# Altium PCB FlightControl.PcbDoc (part 3 of 4) (continued)
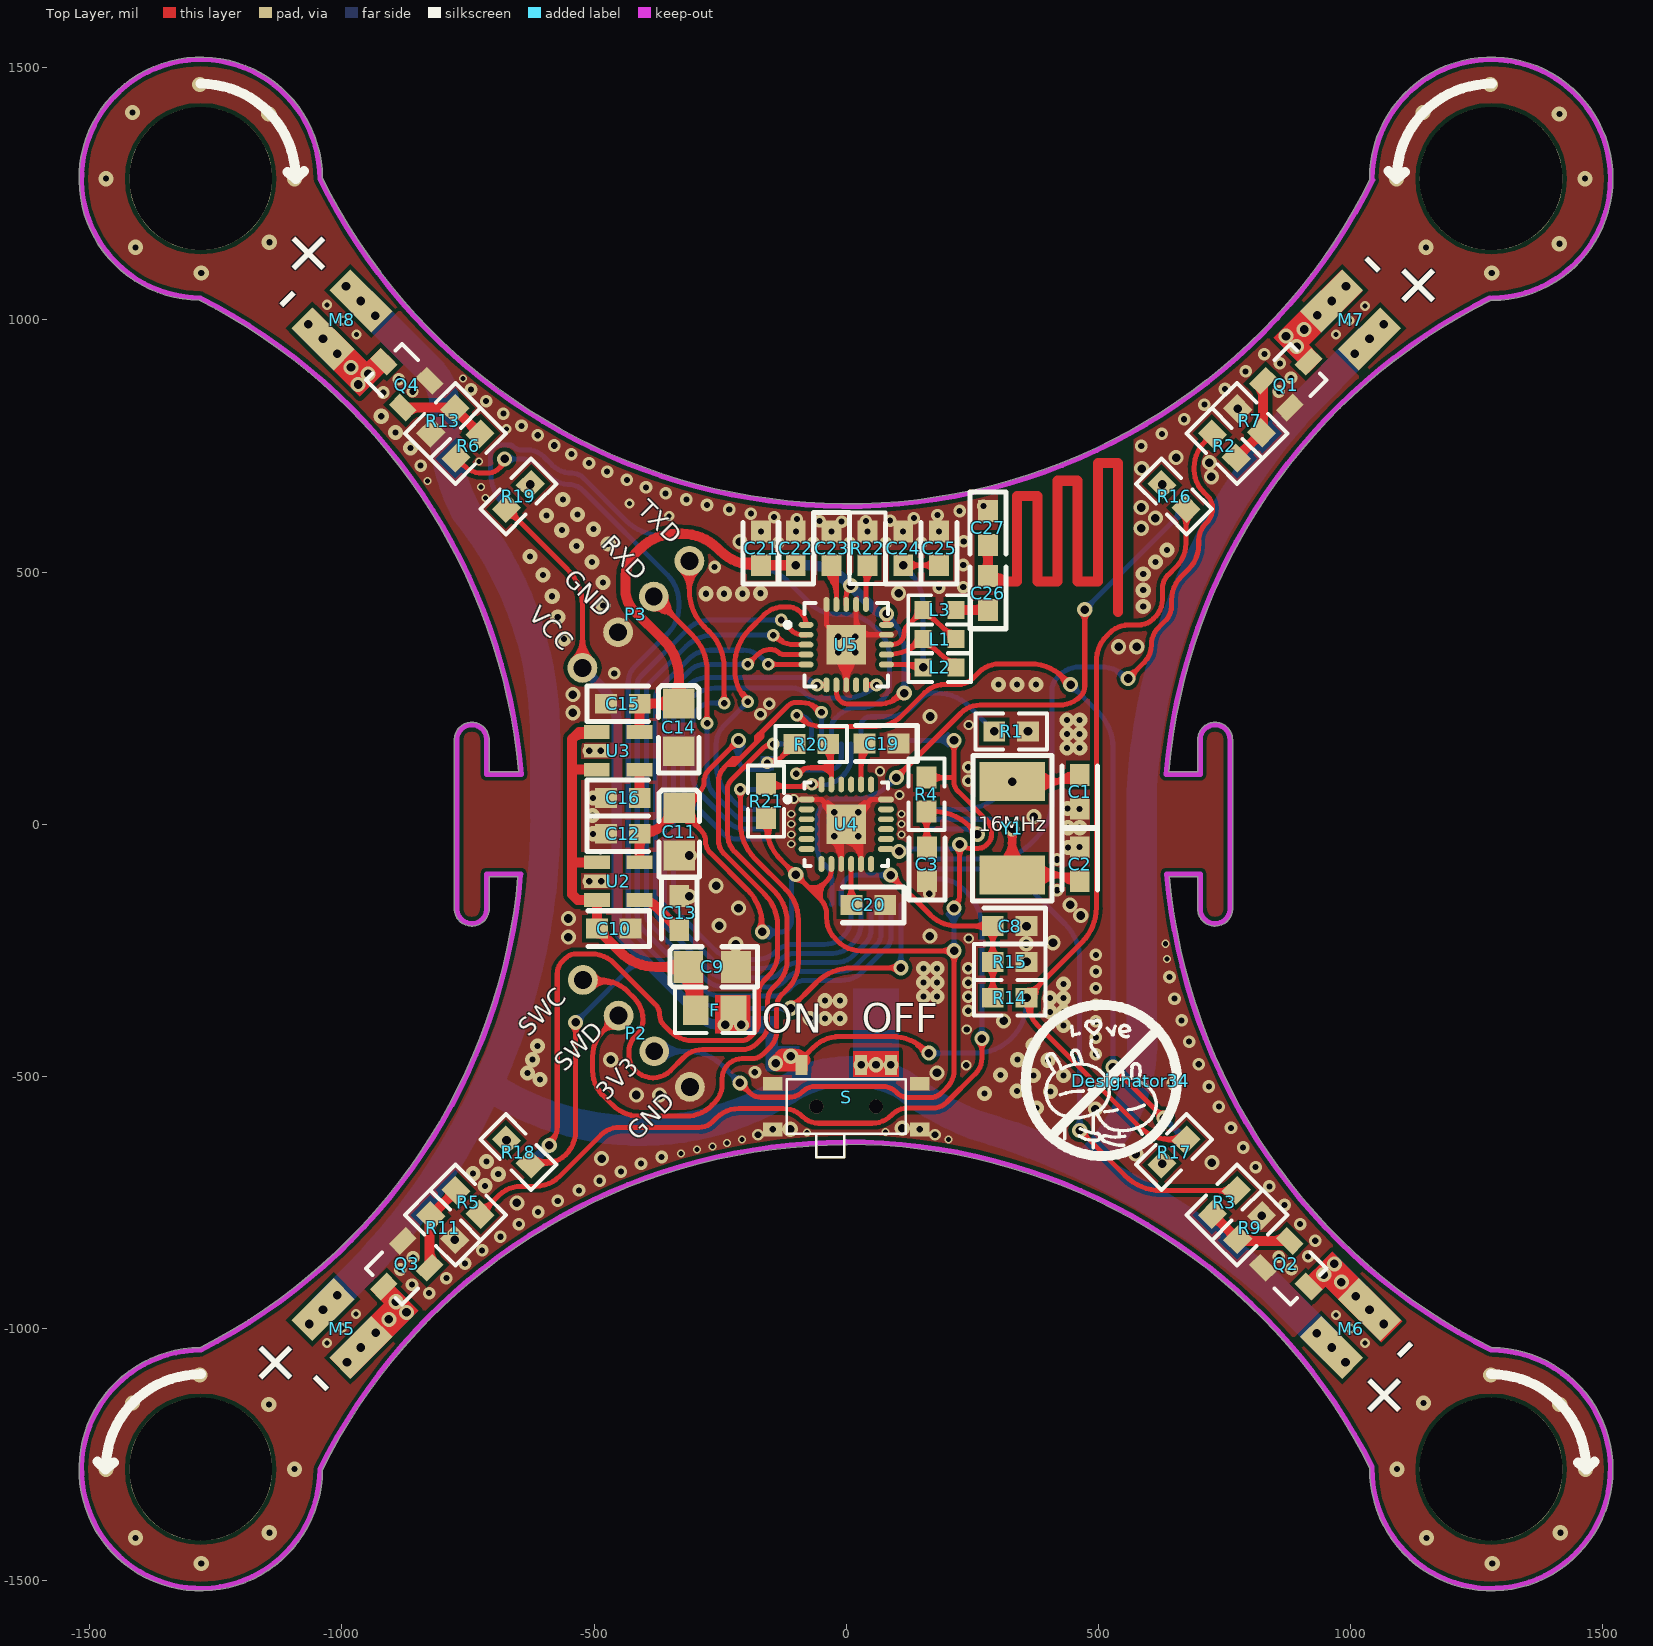
[diagram p0: Top Layer view]
## Nets (pads, with @x,y where several pads share a name; then routed paths per layer and width w, separated by ;. In a path a pad name is that pad's centre, name@x,y a point inside that pad or via, vN(x,y) a via of type N, cw(c..) or ccw(c..) an arc to the next point about the centre after c; other vN are vias at no path point) (continued)
RXD: P3.3 U1.31 | length 1427.4
  Top Layer w10: P3.3@-381.58,451.42 -305.29,375.13 cw(c-376,304.42) -276,304.42 v4(-276,200) ; P3.3@-386.94,450.32 ccw(c-349.28,458.04) -359.23,420.91 ; P3.3@-386.94,450.32 ccw(c-349.28,458.04) -359.23,420.91 ; P3.3@-386.94,450.32 ccw(c-349.28,458.04) -359.23,420.91 ; P3.3@-381.58,426.89 cw(c-381.58,367.68) -339.71,409.55 ; P3.3@-381.58,426.89 cw(c-381.58,367.68) -339.71,409.55 ; P3.3@-381.58,426.89 cw(c-381.58,367.68) -339.71,409.55 ; P3.3@-381.58,436.89 cw(c-381.58,401.82) -356.78,426.62 ; P3.3@-381.58,436.89 cw(c-381.58,401.82) -356.78,426.62 ; P3.3@-381.58,436.89 cw(c-381.58,401.82) -356.78,426.62 ; P3.3@-380.48,456.78 cw(c-388.19,419.13) -351.06,429.07 ; P3.3@-380.48,456.78 cw(c-388.19,419.13) -351.06,429.07 ; P3.3@-380.48,456.78 cw(c-388.19,419.13) -351.06,429.07 ; P3.3@-367.05,451.42 ccw(c-331.98,451.42) -356.78,426.62 ; P3.3@-367.05,451.42 ccw(c-331.98,451.42) -356.78,426.62 ; P3.3@-367.05,451.42 ccw(c-331.98,451.42) -356.78,426.62 ; P3.3@-357.05,451.42 ccw(c-297.84,451.42) -339.71,409.55 ; P3.3@-357.05,451.42 ccw(c-297.84,451.42) -339.71,409.55 ; P3.3@-357.05,451.42 ccw(c-297.84,451.42) -339.71,409.55 ; v4@-281.3,205.3 ccw(c-294.11,218.11) -276,218.11 ; v4@-281.3,205.3 ccw(c-294.11,218.11) -276,218.11 ; v4@-281.3,205.3 ccw(c-294.11,218.11) -276,218.11 ; -276,218.11 ccw(c-257.89,218.11) v4@-270.7,205.3 ; -276,218.11 ccw(c-257.89,218.11) v4@-270.7,205.3 ; -276,218.11 ccw(c-257.89,218.11) v4@-270.7,205.3
  Bottom Layer w10: v4(-276,200) -276,95.63 ccw(c-221.37,95.63) -260.02,57.02 -220,17 ccw(c-202.72,34.28) -202.72,9.84 U1.31@-159.45,9.84 ; v4@-281.3,194.7 cw(c-294.11,181.89) -276,181.89 ; v4@-281.3,194.7 cw(c-294.11,181.89) -276,181.89 ; v4@-281.3,194.7 cw(c-294.11,181.89) -276,181.89 ; -276,181.89 cw(c-257.89,181.89) v4@-270.7,194.7 ; -276,181.89 cw(c-257.89,181.89) v4@-270.7,194.7 ; -276,181.89 cw(c-257.89,181.89) v4@-270.7,194.7
SCK: U1.15 U5.3 | length 1656.2
  Top Layer w10: v4(-145,375) -142.36,372.36 ccw(c-102.86,411.86) -102.86,356 U5.3@-79.72,356 ; v4@-143.05,367.76 cw(c-139.22,353.49) -131.84,366.29 ; v4@-143.05,367.76 cw(c-139.22,353.49) -131.84,366.29 ; v4@-143.05,367.76 cw(c-139.22,353.49) -131.84,366.29 ; v4@-142.29,368.01 cw(c-138.7,358.76) -130.12,363.73 ; v4@-142.29,368.01 cw(c-138.7,358.76) -130.12,363.73 ; v4@-142.29,368.01 cw(c-138.7,358.76) -130.12,363.73 ; v4@-137.76,376.94 ccw(c-117.05,382.5) -127.76,363.93 ; v4@-137.76,376.94 ccw(c-117.05,382.5) -127.76,363.93 ; v4@-137.76,376.94 ccw(c-117.05,382.5) -127.76,363.93
  Bottom Layer w10: -386.44,-200.29 -280,-306.72 ; -386.45,-200.27 cw(c-362.15,-176) -396.5,-176 -396.5,264.9 cw(c-375.72,264.9) -390.41,279.59 -318,352 cw(c-262.47,296.47) -262.47,375 v4(-145,375) ; -279.99,-306.73 ccw(c-240.7,-267.42) -240.7,-323 -150,-323 ccw(c-150,-285.44) -123.47,-312.03 ; -123.44,-312 -114,-302.56 cw(c-88.52,-328.04) -88.52,-292 -11.05,-292 ccw(c-11.05,-246.67) 21,-278.72 60.01,-239.71 ccw(c38.57,-218.26) 68.9,-218.26 U1.15@68.9,-159.45 ; -163.11,375 ccw(c-163.11,393.11) v4@-150.3,380.3 ; -163.11,375 cw(c-163.11,356.89) v4@-150.3,369.7 ; -163.11,375 ccw(c-163.11,393.11) v4@-150.3,380.3 ; -163.11,375 cw(c-163.11,356.89) v4@-150.3,369.7 ; -163.11,375 ccw(c-163.11,393.11) v4@-150.3,380.3 ; -163.11,375 cw(c-163.11,356.89) v4@-150.3,369.7
SCL: R20.1 U1.42 U4.23 | length 695.3
  Top Layer w10: v4(-99,100) cw(c-70.03,71.03) -70.03,112 -29.53,112 ; R20.1@-35.53,159 -29.53,152.99 -29.53,112 ; U4.23@-29.53,78.74 -29.53,112 ; -29.53,100 -31.3,101.77 ccw(c-56,77.06) -56,112 ccw(c-56,149.35) -29.59,122.94 -29.53,123 ; v4@-97.06,107.24 ccw(c-92.37,124.73) -83.32,109.05 ; v4@-97.06,107.24 ccw(c-92.37,124.73) -83.32,109.05 ; v4@-97.06,107.24 ccw(c-92.37,124.73) -83.32,109.05 ; v4@-95.58,106.67 ccw(c-91.92,113.81) -84.98,109.8 ; v4@-95.58,106.67 ccw(c-91.92,113.81) -84.98,109.8 ; v4@-95.58,106.67 ccw(c-91.92,113.81) -84.98,109.8 ; v4@-91.76,98.06 cw(c-74.27,93.37) -83.32,109.05 ; v4@-91.76,98.06 cw(c-74.27,93.37) -83.32,109.05 ; v4@-91.76,98.06 cw(c-74.27,93.37) -83.32,109.05 ; R20.1@-43.95,148.62 cw(c-78.77,113.8) -29.53,113.8 ; R20.1@-43.95,148.62 cw(c-78.77,113.8) -29.53,113.8 ; R20.1@-43.95,148.62 cw(c-78.77,113.8) -29.53,113.8 ; R20.1@-36.88,155.69 cw(c-54.62,137.94) -29.53,137.94 ; R20.1@-36.88,155.69 cw(c-54.62,137.94) -29.53,137.94 ; R20.1@-36.88,155.69 cw(c-54.62,137.94) -29.53,137.94 ; -29.53,133.29 cw(c-7.86,133.29) R20.1@-23.18,148.62 ; -29.53,133.29 cw(c-7.86,133.29) R20.1@-23.18,148.62 ; -29.53,133.29 cw(c-7.86,133.29) R20.1@-23.18,148.62
  Bottom Layer w10: v4(-99,100) cw(c-79.69,80.69) -79.69,108 -33.48,108 ccw(c-33.48,130.88) -17.32,114.68 ccw(c-35.3,132.7) -9.84,132.7 U1.42@-9.84,159.45
SDA: R21.1 U1.43 U4.24 | length 698.9
  Top Layer w10: R21.1@-159,79.47 -154.16,74.63 -72.37,74.63 v4(-68,79) -67.74,78.74 U4.24@-49.21,78.74 ; R21.1@-148.62,67.11 cw(c-130.48,48.98) -130.48,74.63 ; R21.1@-148.62,67.11 cw(c-130.48,48.98) -130.48,74.63 ; R21.1@-148.62,67.11 cw(c-130.48,48.98) -130.48,74.63 ; R21.1@-148.62,87.88 ccw(c-116.61,119.88) -116.61,74.63 ; R21.1@-148.62,87.88 ccw(c-116.61,119.88) -116.61,74.63 ; R21.1@-148.62,87.88 ccw(c-116.61,119.88) -116.61,74.63 ; -96.67,74.63 ccw(c-96.67,107.67) v4@-73.3,84.3 ; -96.67,74.63 ccw(c-96.67,107.67) v4@-73.3,84.3 ; -96.67,74.63 ccw(c-96.67,107.67) v4@-73.3,84.3 ; -84.49,77.84 cw(c-80.81,71.47) v4@-74.47,75.2 ; -84.49,77.84 cw(c-80.81,71.47) v4@-74.47,75.2 ; -84.49,77.84 cw(c-80.81,71.47) v4@-74.47,75.2 ; v4@-62.7,73.7 cw(c-50.52,61.52) U4.24@-50.52,78.74 ; v4@-62.7,73.7 cw(c-50.52,61.52) U4.24@-50.52,78.74 ; v4@-62.7,73.7 cw(c-50.52,61.52) U4.24@-50.52,78.74 ; v4@-62.7,84.3 ccw(c-49.27,97.73) U4.24@-49.27,78.74 ; v4@-62.7,84.3 ccw(c-49.27,97.73) U4.24@-49.27,78.74 ; v4@-62.7,84.3 ccw(c-49.27,97.73) U4.24@-49.27,78.74
  Bottom Layer w10: v4(-68,79) ccw(c-51.99,140.83) 9.04,121.99 9.04,157.51 cw(c11.78,157.51) U1.43@9.84,159.45 ; v4@-62.74,84.35 ccw(c-50.05,97.26) -49.89,79.15 ; v4@-62.74,84.35 ccw(c-50.05,97.26) -49.89,79.15 ; v4@-62.74,84.35 ccw(c-50.05,97.26) -49.89,79.15 ; v4@-62.65,73.74 cw(c-49.74,61.05) -49.89,79.15 ; v4@-62.65,73.74 cw(c-49.74,61.05) -49.89,79.15 ; v4@-62.65,73.74 cw(c-49.74,61.05) -49.89,79.15
SWCLK: P2.4 U1.37 | length 1786.1
  Top Layer w10: P2.4@-522.13,-308.87 -488.85,-308.87 ; -421,-344 -433,-332 ccw(c-488.85,-387.85) -488.85,-308.87 ; -420.97,-344.03 cw(c-464.46,-387.46) -403,-387.46 -403,-388 cw(c-444.04,-388) -415.02,-417.02 -418,-420 ccw(c-386.62,-451.38) -431,-451.38 -431,-458 ccw(c-389.96,-458) -418.98,-487.02 -417,-489 ccw(c-383.2,-455.2) -383.2,-503 -383,-503 ccw(c-383,-454.72) -348.88,-488.88 ; -348.86,-488.86 -322.55,-462.55 cw(c-285,-500.11) -285,-447 -206,-447 ccw(c-206,-408.37) -178.69,-435.69 -165.19,-422.19 ccw(c-187.38,-400) -156,-400 -156,-350 cw(c-119.79,-350) -145.39,-324.39 -135.38,-314.38 ; v4(-145,159) ccw(c-145,131.71) -164.29,151.01 -228.35,86.95 ccw(c-211.4,70) -235.37,70 -235.37,-20 ccw(c-186.92,-20) -221.19,-54.26 -142.44,-133 cw(c-203.87,-194.43) -117,-194.43 -117,-270 cw(c-179.77,-270) -135.36,-314.36 ; P2.4@-511.49,-318.76 cw(c-490.11,-338.63) -483.07,-310.3 ; P2.4@-511.49,-318.76 cw(c-490.11,-338.63) -483.07,-310.3 ; P2.4@-511.49,-318.76 cw(c-490.11,-338.63) -483.07,-310.3 ; P2.4@-504.17,-325.57 cw(c-475.91,-351.83) -466.61,-314.39 ; P2.4@-504.17,-325.57 cw(c-475.91,-351.83) -466.61,-314.39 ; P2.4@-504.17,-325.57 cw(c-475.91,-351.83) -466.61,-314.39 ; P2.4@-501.12,-296.22 ccw(c-473.86,-279.8) -481.53,-310.69 ; P2.4@-501.12,-296.22 ccw(c-473.86,-279.8) -481.53,-310.69 ; P2.4@-501.12,-296.22 ccw(c-473.86,-279.8) -481.53,-310.69 ; P2.4@-498.7,-316.13 cw(c-488.85,-319.19) -488.85,-308.87 ; P2.4@-498.7,-316.13 cw(c-488.85,-319.19) -488.85,-308.87 ; P2.4@-498.7,-316.13 cw(c-488.85,-319.19) -488.85,-308.87 ; P2.4@-498.7,-301.6 ccw(c-488.85,-298.55) -488.85,-308.87 ; P2.4@-498.7,-301.6 ccw(c-488.85,-298.55) -488.85,-308.87 ; P2.4@-498.7,-301.6 ccw(c-488.85,-298.55) -488.85,-308.87 ; -158.64,155.34 ccw(c-161.11,164.57) v4@-152.09,161.45 ; -158.64,155.34 cw(c-156.17,146.12) v4@-149.91,153.33 ; -158.64,155.34 ccw(c-161.11,164.57) v4@-152.09,161.45 ; -158.64,155.34 cw(c-156.17,146.12) v4@-149.91,153.33 ; -158.64,155.34 ccw(c-161.11,164.57) v4@-152.09,161.45 ; -158.64,155.34 cw(c-156.17,146.12) v4@-149.91,153.33
  Bottom Layer w10: v4(-145,159) -144.55,159.45 U1.37@-108.27,159.45 ; v4@-139.7,153.7 cw(c-125.81,139.81) -125.81,159.45 ; v4@-139.7,153.7 cw(c-125.81,139.81) -125.81,159.45 ; v4@-139.7,153.7 cw(c-125.81,139.81) -125.81,159.45 ; v4@-139.7,164.3 ccw(c-127.97,176.03) -127.97,159.45 ; v4@-139.7,164.3 ccw(c-127.97,176.03) -127.97,159.45 ; v4@-139.7,164.3 ccw(c-127.97,176.03) -127.97,159.45
SWDIO: P2.3 U1.34 | length 1722.1
  Top Layer w10: P2.3@-451.42,-379.58 -482,-410.16 ; -261.5,-552.5 -266.98,-557.98 cw(c-317.72,-507.25) -317.72,-579 -410,-579 cw(c-410,-504.16) -462.92,-557.08 -482.96,-537.04 cw(c-434.58,-488.66) -503,-488.66 -503,-460.85 cw(c-431.3,-460.85) -482,-410.16 ; -261.47,-552.47 ccw(c-299.01,-515) -245.97,-515 -245.97,-504.28 cw(c-206.6,-504.28) -234.44,-476.44 cw(c-206.6,-504.28) -206.6,-464.91 -187,-464.91 ccw(c-187,-433.29) -164.65,-455.65 -151.22,-442.22 ccw(c-183.44,-410) -137.87,-410 -137.87,-362 cw(c-103.77,-362) -127.9,-337.9 -116.44,-326.44 ccw(c-168.19,-274.68) -95,-274.68 -95,-189.36 ccw(c-180.36,-189.36) -119.96,-129.04 ccw(c-180.36,-189.36) -120,-129 -180.71,-68.29 cw(c-110,2.42) -210,2.42 v4(-210,69) ; -482,-410.15 ccw(c-500.28,-391.87) P2.3@-475.21,-385.56 ; -482,-410.15 cw(c-463.72,-428.44) P2.3@-457.41,-403.36 ; -482,-410.15 ccw(c-500.28,-391.87) P2.3@-475.21,-385.56 ; -482,-410.15 cw(c-463.72,-428.44) P2.3@-457.41,-403.36 ; -482,-410.15 ccw(c-500.28,-391.87) P2.3@-475.21,-385.56 ; -482,-410.15 cw(c-463.72,-428.44) P2.3@-457.41,-403.36 ; -475.41,-399.06 cw(c-431.88,-399.72) P2.3@-462.19,-368.47 ; -475.41,-399.06 cw(c-431.88,-399.72) P2.3@-462.19,-368.47 ; -475.41,-399.06 cw(c-431.88,-399.72) P2.3@-462.19,-368.47 ; v4@-215.3,63.7 cw(c-228.11,50.89) -210,50.89 ; v4@-215.3,63.7 cw(c-228.11,50.89) -210,50.89 ; v4@-215.3,63.7 cw(c-228.11,50.89) -210,50.89 ; -210,50.89 cw(c-191.89,50.89) v4@-204.7,63.7 ; -210,50.89 cw(c-191.89,50.89) v4@-204.7,63.7 ; -210,50.89 cw(c-191.89,50.89) v4@-204.7,63.7 ; -470.9,-403.57 ccw(c-471.57,-360.04) -440.32,-390.35 cw(c-471.57,-360.04) -470.9,-403.57
  Bottom Layer w10: v4(-210,69) -209.9,68.9 U1.34@-159.45,68.9 ; v4@-204.7,63.7 cw(c-192.14,51.14) U1.34@-192.14,68.9 ; v4@-204.7,63.7 cw(c-192.14,51.14) U1.34@-192.14,68.9 ; v4@-204.7,63.7 cw(c-192.14,51.14) U1.34@-192.14,68.9 ; v4@-204.7,74.3 ccw(c-191.65,87.35) U1.34@-191.65,68.9 ; v4@-204.7,74.3 ccw(c-191.65,87.35) U1.34@-191.65,68.9 ; v4@-204.7,74.3 ccw(c-191.65,87.35) U1.34@-191.65,68.9
TXD: P3.4 U1.30 | length 1304.3
  Top Layer w10: P3.4@-310.87,522.13 -310.87,462.29 ccw(c-210.87,462.29) -281.58,391.58 -271.29,381.29 cw(c-342,310.58) -242,310.58 v4(-242,240) ; P3.4@-328.21,504.79 cw(c-370.08,462.92) -310.87,462.92 ; P3.4@-328.21,504.79 cw(c-370.08,462.92) -310.87,462.92 ; P3.4@-328.21,504.79 cw(c-370.08,462.92) -310.87,462.92 ; P3.4@-321.14,511.86 cw(c-345.94,487.06) -310.87,487.06 ; P3.4@-321.14,511.86 cw(c-345.94,487.06) -310.87,487.06 ; P3.4@-321.14,511.86 cw(c-345.94,487.06) -310.87,487.06 ; -310.87,462.92 cw(c-251.65,462.92) P3.4@-293.52,504.79 ; -310.87,462.92 cw(c-251.65,462.92) P3.4@-293.52,504.79 ; -310.87,462.92 cw(c-251.65,462.92) P3.4@-293.52,504.79 ; -310.87,487.06 cw(c-275.8,487.06) P3.4@-300.6,511.86 ; -310.87,487.06 cw(c-275.8,487.06) P3.4@-300.6,511.86 ; -310.87,487.06 cw(c-275.8,487.06) P3.4@-300.6,511.86 ; v4@-247.3,245.3 ccw(c-260.11,258.11) -242,258.11 ; v4@-247.3,245.3 ccw(c-260.11,258.11) -242,258.11 ; v4@-247.3,245.3 ccw(c-260.11,258.11) -242,258.11 ; -242,258.11 ccw(c-223.89,258.11) v4@-236.7,245.3 ; -242,258.11 ccw(c-223.89,258.11) v4@-236.7,245.3 ; -242,258.11 ccw(c-223.89,258.11) v4@-236.7,245.3
  Bottom Layer w10: -293.53,229.47 ccw(c-268.15,204.15) -304,204.15 -304,94.8 ccw(c-256.2,94.8) -290,61 -232.7,3.7 ccw(c-200,36.41) -200,-9.84 U1.30@-159.45,-9.84 ; -293.47,229.53 cw(c-268.15,204.15) -268.15,240 v4(-242,240) ; -260.11,240 ccw(c-260.11,258.11) v4@-247.3,245.3 ; -260.11,240 cw(c-260.11,221.89) v4@-247.3,234.7 ; -260.11,240 ccw(c-260.11,258.11) v4@-247.3,245.3 ; -260.11,240 cw(c-260.11,221.89) v4@-247.3,234.7 ; -260.11,240 ccw(c-260.11,258.11) v4@-247.3,245.3 ; -260.11,240 cw(c-260.11,221.89) v4@-247.3,234.7
VCC: F.1 P3.1 R14.1 R16.1 R17.1 R18.1 R19.1 S.1 | length 7146.1
  Top Layer w10: R19.1@-673.66,626.34 -552.29,504.96 cw(c-623,434.25) -523,434.25 P3.1@-523,310 ; R18.1@-626.34,-673.66 -601.56,-673.66 ccw(c-601.56,-608.73) -555.64,-654.64 ; -555.62,-654.62 ccw(c-601.56,-608.73) -536.63,-608.73 v1(-536.63,-393) ; S.1@-88.58,-477.32 -88.58,-465.58 -66.29,-443.29 ; -66.26,-443.26 cw(c-12.48,-497.11) -12.48,-421 89.58,-421 cw(c89.58,-521) 160.29,-450.29 v1(164,-454) ; R17.1@673.66,-626.34 648.76,-626.34 cw(c648.76,-526.34) 578.05,-597.05 380.42,-399.42 cw(c435.84,-344) v1(357.46,-344) ; R16.1@673.66,626.34 673.66,557 cw(c607.66,557) 654.36,510.36 638.31,494.31 ccw(c665.63,467) 627,467 627,445.38 cw(c579.2,445.38) 613,411.58 608.42,407 cw(c579.45,435.97) 579.45,395 560,395 ccw(c560,341.89) 522.45,379.45 517,374 ccw(c567.7,323.3) 496,323.3 496,-165 cw(c398.31,-165) 467.39,-234.08 v1(357.46,-344) ; R19.1@-673.66,611.65 cw(c-673.66,576.2) -648.6,601.27 ; R19.1@-673.66,611.65 cw(c-673.66,576.2) -648.6,601.27 ; R19.1@-673.66,611.65 cw(c-673.66,576.2) -648.6,601.27 ; R19.1@-658.98,626.34 ccw(c-623.53,626.34) -648.6,601.27 ; R19.1@-658.98,626.34 ccw(c-623.53,626.34) -648.6,601.27 ; R19.1@-658.98,626.34 ccw(c-623.53,626.34) -648.6,601.27 ; R18.1@-622.58,-671.01 ccw(c-608.97,-647.69) R18.1@-602.11,-673.81 ; R18.1@-622.58,-671.01 ccw(c-608.97,-647.69) R18.1@-602.11,-673.81 ; R18.1@-622.58,-671.01 ccw(c-608.97,-647.69) R18.1@-602.11,-673.81 ; R18.1@-617.54,-662.37 ccw(c-591.75,-618.21) -578.76,-667.67 ; R18.1@-617.54,-662.37 ccw(c-591.75,-618.21) -578.76,-667.67 ; R18.1@-617.54,-662.37 ccw(c-591.75,-618.21) -578.76,-667.67 ; R18.1@-612.26,-682.46 cw(c-595.2,-692.43) R18.1@-600.22,-673.31 ; R18.1@-612.26,-682.46 cw(c-595.2,-692.43) R18.1@-600.22,-673.31 ; R18.1@-612.26,-682.46 cw(c-595.2,-692.43) R18.1@-600.22,-673.31 ; v1@-543.7,-400.07 cw(c-560.77,-417.14) -536.63,-417.14 ; v1@-543.7,-400.07 cw(c-560.77,-417.14) -536.63,-417.14 ; v1@-543.7,-400.07 cw(c-560.77,-417.14) -536.63,-417.14 ; P3.1@-540.34,327.34 ccw(c-582.21,369.21) -523,369.21 ; P3.1@-540.34,327.34 ccw(c-582.21,369.21) -523,369.21 ; P3.1@-540.34,327.34 ccw(c-582.21,369.21) -523,369.21 ; -536.63,-417.14 cw(c-512.48,-417.14) v1@-529.56,-400.07 ; -536.63,-417.14 cw(c-512.48,-417.14) v1@-529.56,-400.07 ; -536.63,-417.14 cw(c-512.48,-417.14) v1@-529.56,-400.07 ; P3.1@-533.27,320.27 ccw(c-558.07,345.07) -523,345.07 ; P3.1@-533.27,320.27 ccw(c-558.07,345.07) -523,345.07 ; P3.1@-533.27,320.27 ccw(c-558.07,345.07) -523,345.07 ; -523,345.07 ccw(c-487.93,345.07) P3.1@-512.73,320.27 ; -523,345.07 ccw(c-487.93,345.07) P3.1@-512.73,320.27 ; -523,345.07 ccw(c-487.93,345.07) P3.1@-512.73,320.27 ; -523,369.21 ccw(c-463.79,369.21) P3.1@-505.66,327.34 ; -523,369.21 ccw(c-463.79,369.21) P3.1@-505.66,327.34 ; -523,369.21 ccw(c-463.79,369.21) P3.1@-505.66,327.34 ; S.1@-81.77,-469.45 cw(c-55.99,-469.45) -74.22,-451.22 ; S.1@-81.77,-469.45 cw(c-55.99,-469.45) -74.22,-451.22 ; S.1@-81.77,-469.45 cw(c-55.99,-469.45) -74.22,-451.22 ; 141.75,-438.69 cw(c126.81,-462.57) v1@154.26,-456.24 ; 141.75,-438.69 cw(c126.81,-462.57) v1@154.26,-456.24 ; 141.75,-438.69 cw(c126.81,-462.57) v1@154.26,-456.24 ; 146.57,-441.71 ccw(c157.24,-424.65) v1@161.76,-444.26 ; 146.57,-441.71 ccw(c157.24,-424.65) v1@161.76,-444.26 ; 146.57,-441.71 ccw(c157.24,-424.65) v1@161.76,-444.26 ; v1(164,-454) cw(c160.47,-442.69) 150.01,-448.25 ccw(c160.47,-442.69) v1(164,-454) ; R14.1@348.05,-340.61 cw(c365.52,-346.9) R14.1@360.71,-328.97 ; R14.1@348.05,-340.61 cw(c365.52,-346.9) R14.1@360.71,-328.97 ; R14.1@348.05,-340.61 cw(c365.52,-346.9) R14.1@360.71,-328.97 ; R14.1@348.05,-340.61 cw(c365.52,-346.9) R14.1@360.71,-328.97 ; R14.1@348.05,-340.61 cw(c365.52,-346.9) R14.1@360.71,-328.97 ; R14.1@348.05,-340.61 cw(c365.52,-346.9) R14.1@360.71,-328.97 ; R14.1@352.09,-356.72 cw(c337.61,-381.8) 365.58,-374.3 ; R14.1@352.09,-356.72 cw(c337.61,-381.8) 365.58,-374.3 ; R14.1@352.09,-356.72 cw(c337.61,-381.8) 365.58,-374.3 ; R14.1@352.46,-352.66 cw(c340.39,-373.57) 363.71,-367.32 ; R14.1@352.46,-352.66 cw(c340.39,-373.57) 363.71,-367.32 ; R14.1@352.46,-352.66 cw(c340.39,-373.57) 363.71,-367.32 ; v1(357.46,-344) cw(c387.43,-354.78) 379.19,-324.02 ; v1(357.46,-344) ccw(c353.96,-326.88) R14.1@370.84,-331.4 ; v1(357.46,-344) cw(c387.43,-354.78) 379.19,-324.02 ; v1(357.46,-344) cw(c374.59,-347.51) R14.1@370.06,-330.62 ; v1(357.46,-344) cw(c387.43,-354.78) 379.19,-324.02 ; v1(357.46,-344) ccw(c353.96,-326.88) R14.1@370.84,-331.4 ; v1(357.46,-344) ccw(c353.96,-326.88) R14.1@370.84,-331.4 ; v1(357.46,-344) cw(c387.43,-354.78) 379.19,-324.02 ; v1(357.46,-344) cw(c374.59,-347.51) R14.1@370.06,-330.62 ; v1(357.46,-344) cw(c387.43,-354.78) 379.19,-324.02 ; v1(357.46,-344) cw(c374.59,-347.51) R14.1@370.06,-330.62 ; v1(357.46,-344) cw(c387.43,-354.78) 379.19,-324.02 ; R14.1@357.46,-334 ccw(c357.46,-309.86) R14.1@374.54,-326.93 ; R14.1@357.46,-334 ccw(c357.46,-309.86) R14.1@374.54,-326.93 ; R14.1@357.46,-334 ccw(c357.46,-309.86) R14.1@374.54,-326.93 ; R14.1@358.73,-334.08 ccw(c359.82,-325.56) R14.1@366.87,-330.46 ; R14.1@358.73,-334.08 ccw(c359.82,-325.56) R14.1@366.87,-330.46 ; R14.1@358.73,-334.08 ccw(c359.82,-325.56) R14.1@366.87,-330.46 ; R14.1@358.73,-334.08 ccw(c359.82,-325.56) R14.1@366.87,-330.46 ; R14.1@359.43,-329.32 ccw(c359.43,-298.61) 381.14,-320.32 ; R14.1@359.43,-329.32 ccw(c359.43,-298.61) 381.14,-320.32 ; R14.1@359.43,-329.32 ccw(c359.43,-298.61) 381.14,-320.32 ; 363.71,-367.32 cw(c387.03,-361.07) R14.1@366.12,-349 ; 363.71,-367.32 cw(c387.03,-361.07) R14.1@366.12,-349 ; 363.71,-367.32 cw(c387.03,-361.07) R14.1@366.12,-349 ; R14.1@366.32,-339.35 cw(c373.92,-335.36) R14.1@366.87,-330.46 ; R14.1@366.32,-339.35 cw(c373.92,-335.36) R14.1@366.87,-330.46 ; R14.1@366.32,-339.35 cw(c373.92,-335.36) R14.1@366.87,-330.46 ; R14.1@366.32,-339.35 cw(c373.92,-335.36) R14.1@366.87,-330.46 ; 367.11,-380 cw(c400.29,-371.11) R14.1@371.67,-352.12 ; 367.11,-380 cw(c400.29,-371.11) R14.1@371.67,-352.12 ; 367.11,-380 cw(c400.29,-371.11) R14.1@371.67,-352.12 ; R14.1@367.46,-344 cw(c391.61,-344) R14.1@374.54,-326.93 ; R14.1@367.46,-344 cw(c391.61,-344) R14.1@374.54,-326.93 ; R14.1@367.46,-344 cw(c391.61,-344) R14.1@374.54,-326.93 ; R14.1@374.12,-344 cw(c414.32,-344) 385.89,-315.57 ; R14.1@374.12,-344 cw(c414.32,-344) 385.89,-315.57 ; R14.1@374.12,-344 cw(c414.32,-344) 385.89,-315.57 ; 630.95,-623.37 ccw(c638.18,-580) R17.1@663.74,-615.78 ; 630.95,-623.37 ccw(c638.18,-580) R17.1@663.74,-615.78 ; 630.95,-623.37 ccw(c638.18,-580) R17.1@663.74,-615.78 ; 642.83,-625.35 cw(c638.4,-651.92) R17.1@660.32,-636.26 ; 642.83,-625.35 cw(c638.4,-651.92) R17.1@660.32,-636.26 ; 642.83,-625.35 cw(c638.4,-651.92) R17.1@660.32,-636.26 ; R16.1@664.67,614.56 cw(c642.96,592.85) 673.66,592.85 ; R16.1@664.67,614.56 cw(c642.96,592.85) 673.66,592.85 ; R16.1@664.67,614.56 cw(c642.96,592.85) 673.66,592.85 ; 673.66,586.13 cw(c713.87,586.13) R16.1@685.44,614.56 ; 673.66,586.13 cw(c713.87,586.13) R16.1@685.44,614.56 ; 673.66,586.13 cw(c713.87,586.13) R16.1@685.44,614.56 ; R14.1@360.73,-349.15 ccw(c355.2,-327.22) 377.04,-333.08 cw(c355.2,-327.22) R14.1@360.73,-349.15
  Top Layer w30: v1(-140,-474) cw(c-110,-499.14) v1(-110,-460) ; v1(-140,-474) cw(c-110,-499.14) v1(-110,-460) ; v1(-140,-474) cw(c-110,-499.14) v1(-110,-460) ; v1(-140,-474) -126,-460 v1(-110,-460) ; v1@-137.31,-471.31 cw(c-110,-498.63) v1(-110,-460) ; v1@-137.31,-471.31 cw(c-110,-498.63) v1(-110,-460) ; v1@-137.31,-471.31 cw(c-110,-498.63) v1(-110,-460) ; v1@-103.69,-460 cw(c-103.69,-484.56) S.1@-86.33,-467.19 ; v1@-103.69,-460 cw(c-103.69,-484.56) S.1@-86.33,-467.19 ; v1@-103.69,-460 cw(c-103.69,-484.56) S.1@-86.33,-467.19 ; v1@-103.69,-460 cw(c-103.69,-484.56) S.1@-86.33,-467.19 ; v1@-103.69,-460 cw(c-103.69,-484.56) S.1@-86.33,-467.19 ; v1@-103.69,-460 cw(c-103.69,-484.56) S.1@-86.33,-467.19
  Bottom Layer w10: v1(-536.63,-393) -406.63,-263 ; -435,-291.37 cw(c-400.3,-326.07) -400.3,-277 -392.63,-277 ; -434.63,-291 ccw(c-468.43,-257.2) -420.63,-257.2 -420.63,-249 ; v1(164,-454) 256.58,-454 ccw(c256.58,-354) 327.29,-424.71 328.17,-423.83 ccw(c257.46,-353.11) 357,-362.74 ccw(c257.46,-353.11) 357.46,-353.11 v1(357.46,-344) ; v1@-536.63,-383 ccw(c-536.63,-358.86) -519.56,-375.93 ; v1@-536.63,-383 ccw(c-536.63,-358.86) -519.56,-375.93 ; v1@-536.63,-383 ccw(c-536.63,-358.86) -519.56,-375.93 ; v1@-526.63,-393 cw(c-502.48,-393) -519.56,-375.93 ; v1@-526.63,-393 cw(c-502.48,-393) -519.56,-375.93 ; v1@-526.63,-393 cw(c-502.48,-393) -519.56,-375.93 ; v1@171.07,-461.07 cw(c188.14,-478.14) 188.14,-454 ; v1@171.07,-461.07 cw(c188.14,-478.14) 188.14,-454 ; v1@171.07,-461.07 cw(c188.14,-478.14) 188.14,-454 ; v1@171.07,-446.93 ccw(c188.14,-429.86) 188.14,-454 ; v1@171.07,-446.93 ccw(c188.14,-429.86) 188.14,-454 ; v1@171.07,-446.93 ccw(c188.14,-429.86) 188.14,-454
  Bottom Layer w20: P3.1@-523,310 -484.41,271.41 cw(c-555.12,200.7) -455.12,200.7 -455.12,-198 ccw(c-415.26,-198) -443.47,-226.16 ; -443.44,-226.18 -406.63,-263 -284.63,-385 ccw(c-253.24,-353.62) -253.24,-398 v1(-240,-398) ; -260.54,-396.04 ccw(c-254.39,-373.08) v1@-242.5,-393.67 ; -260.54,-396.04 ccw(c-254.39,-373.08) v1@-242.5,-393.67 ; -260.54,-396.04 ccw(c-254.39,-373.08) v1@-242.5,-393.67
  other v1: -208,-398
W_CE: U1.32 U5.1 | length 813.7
  Top Layer w10: v4(-195,243) cw(c-132.23,305.77) -221,305.77 -221,315.58 cw(c-121,315.58) -191.71,386.29 -162.55,415.45 cw(c-125,377.89) -125,431 -116.04,431 cw(c-116.04,394.68) -90.37,420.37 -89.87,419.87 cw(c-114.38,395.37) U5.1@-79.72,395.37 ; -204.8,257.02 cw(c-208.81,250.08) v4@-201.67,246.42 ; -204.8,257.02 cw(c-208.81,250.08) v4@-201.67,246.42 ; -204.8,257.02 cw(c-208.81,250.08) v4@-201.67,246.42 ; -204.05,258.68 ccw(c-188.37,267.73) v4@-193.06,250.24 ; -204.05,258.68 cw(c-219.73,249.63) v4@-202.24,244.94 ; -204.05,258.68 ccw(c-188.37,267.73) v4@-193.06,250.24 ; -204.05,258.68 cw(c-219.73,249.63) v4@-202.24,244.94 ; -204.05,258.68 ccw(c-188.37,267.73) v4@-193.06,250.24 ; -204.05,258.68 cw(c-219.73,249.63) v4@-202.24,244.94
  Bottom Layer w10: v4(-195,243) -195,242.72 -243,194.72 ccw(c-206.48,158.2) -258.13,158.2 -258.13,121.82 ccw(c-158.13,121.82) -228.84,51.11 -220,42.28 ccw(c-189.22,73.06) -189.22,29.53 U1.32@-159.45,29.53 ; -208,229.72 ccw(c-221.28,243) v4@-202.5,243 ; -208,229.72 ccw(c-221.28,243) v4@-202.5,243 ; -208,229.72 ccw(c-221.28,243) v4@-202.5,243 ; -207.33,230.39 cw(c-195,218.06) v4@-195,235.5 ; -207.33,230.39 cw(c-195,218.06) v4@-195,235.5 ; -207.33,230.39 cw(c-195,218.06) v4@-195,235.5
W_CSN: U1.14 U5.2 | length 2275.8
  Top Layer w10: v4(-129,405) -108,384 ccw(c-87.93,404.07) -87.93,375.69 U5.2@-79.72,375.69 ; v4@-128.87,397.5 cw(c-128.57,380.45) -116.5,392.5 ; v4@-121.5,404.87 ccw(c-104.45,404.57) -116.5,392.5 ; v4@-129,397.5 cw(c-129,379.39) -116.2,392.2 ; v4@-129,397.5 cw(c-129,379.39) -116.2,392.2 ; v4@-129,397.5 cw(c-128.99,379.41) -116.19,392.19 ; v4@-129,397.5 cw(c-128.98,379.43) -116.22,392.22 ; v4@-129,397.5 cw(c-129,379.39) -116.2,392.2 ; v4@-128.94,397.5 cw(c-128.8,379.88) -116.19,392.19 ; v4@-128.94,397.5 cw(c-128.8,379.88) -116.19,392.19 ; v4@-128.94,397.5 cw(c-128.8,379.88) -116.19,392.19 ; v4@-128.91,397.5 cw(c-128.71,380.12) -116.56,392.56 ; v4@-128.91,397.5 cw(c-128.71,380.12) -116.56,392.56 ; v4@-128.91,397.5 cw(c-128.71,380.12) -116.56,392.56 ; v4@-128.91,397.5 cw(c-128.71,380.12) -116.56,392.56 ; v4@-128.92,397.5 cw(c-128.73,380.06) -116.53,392.53 ; v4@-128.92,397.5 cw(c-128.73,380.06) -116.53,392.53 ; v4@-128.88,397.5 cw(c-128.59,380.39) -116.5,392.5 ; v4@-128.91,397.5 cw(c-128.71,380.12) -116.56,392.56 ; v4@-128.91,397.5 cw(c-128.71,380.12) -116.56,392.56 ; v4@-128.81,397.5 cw(c-128.39,380.88) -116.49,392.5 ; v4@-128.81,397.5 cw(c-128.39,380.88) -116.49,392.5 ; v4@-128.81,397.5 cw(c-128.4,380.85) -116.49,392.5 ; v4@-128.82,397.5 cw(c-128.41,380.83) -116.49,392.5 ; v4@-128.81,397.5 cw(c-128.39,380.88) -116.49,392.5 ; v4@-121.5,404.81 ccw(c-104.88,404.39) -116.5,392.49 ; v4@-121.5,404.81 ccw(c-104.88,404.39) -116.5,392.49 ; v4@-121.5,404.82 ccw(c-104.84,404.4) -116.5,392.49 ; v4@-121.5,404.81 ccw(c-104.85,404.4) -116.5,392.49 ; v4@-121.5,404.81 ccw(c-104.88,404.39) -116.5,392.49 ; v4@-121.5,404.91 ccw(c-104.12,404.71) -116.56,392.56 ; v4@-121.5,404.91 ccw(c-104.12,404.71) -116.56,392.56 ; v4@-121.5,404.91 ccw(c-104.12,404.71) -116.56,392.56 ; v4@-121.5,404.91 ccw(c-104.12,404.71) -116.56,392.56 ; v4@-121.5,404.88 ccw(c-104.39,404.59) -116.5,392.5 ; v4@-121.5,404.92 ccw(c-104.06,404.73) -116.53,392.53 ; v4@-121.5,404.92 ccw(c-104.06,404.73) -116.53,392.53 ; v4@-121.5,404.91 ccw(c-104.12,404.71) -116.56,392.56 ; v4@-121.5,404.91 ccw(c-104.12,404.71) -116.56,392.56 ; v4@-121.5,404.94 ccw(c-103.88,404.8) -116.19,392.19 ; v4@-121.5,404.94 ccw(c-103.88,404.8) -116.19,392.19 ; v4@-121.5,404.94 ccw(c-103.88,404.8) -116.19,392.19 ; v4@-121.5,405 ccw(c-103.39,405) -116.2,392.2 ; v4@-121.5,405 ccw(c-103.39,405) -116.2,392.2 ; v4@-121.5,405 ccw(c-103.43,404.98) -116.22,392.22 ; v4@-121.5,405 ccw(c-103.41,404.99) -116.19,392.19 ; v4@-121.5,405 ccw(c-103.39,405) -116.2,392.2
  Bottom Layer w10: -401.03,-210.97 cw(c-368.72,-178.72) -414.37,-178.72 -414.37,277.74 cw(c-392.9,277.74) -408.08,292.92 -314.38,386.62 ; -401,-211 -288,-324 ; -314.36,386.64 cw(c-270,342.23) -270,405 v4(-129,405) ; -287.97,-324.03 ccw(c-246.96,-282.96) -246.96,-341 -147.24,-341 ccw(c-147.24,-290.92) -117.01,-330.84 ; -111.83,-326.33 cw(c-147.24,-290.92) -117.01,-330.84 ; U1.14@88.58,-159.45 88.58,-225 cw(c61.02,-225) 80.52,-244.48 32.89,-292.11 cw(c-10,-249.21) -10,-309.87 -81.96,-309.87 ccw(c-81.96,-343.88) -106,-319.83 -117.01,-330.84 ; -147.11,405 ccw(c-147.11,423.11) v4@-134.3,410.3 ; -147.11,405 cw(c-147.11,386.89) v4@-134.3,399.7 ; -147.11,405 ccw(c-147.11,423.11) v4@-134.3,410.3 ; -147.11,405 cw(c-147.11,386.89) v4@-134.3,399.7 ; -147.11,405 ccw(c-147.11,423.11) v4@-134.3,410.3 ; -147.11,405 cw(c-147.11,386.89) v4@-134.3,399.7